# KiCad board SuperBrick1.kicad_pcb (continued)
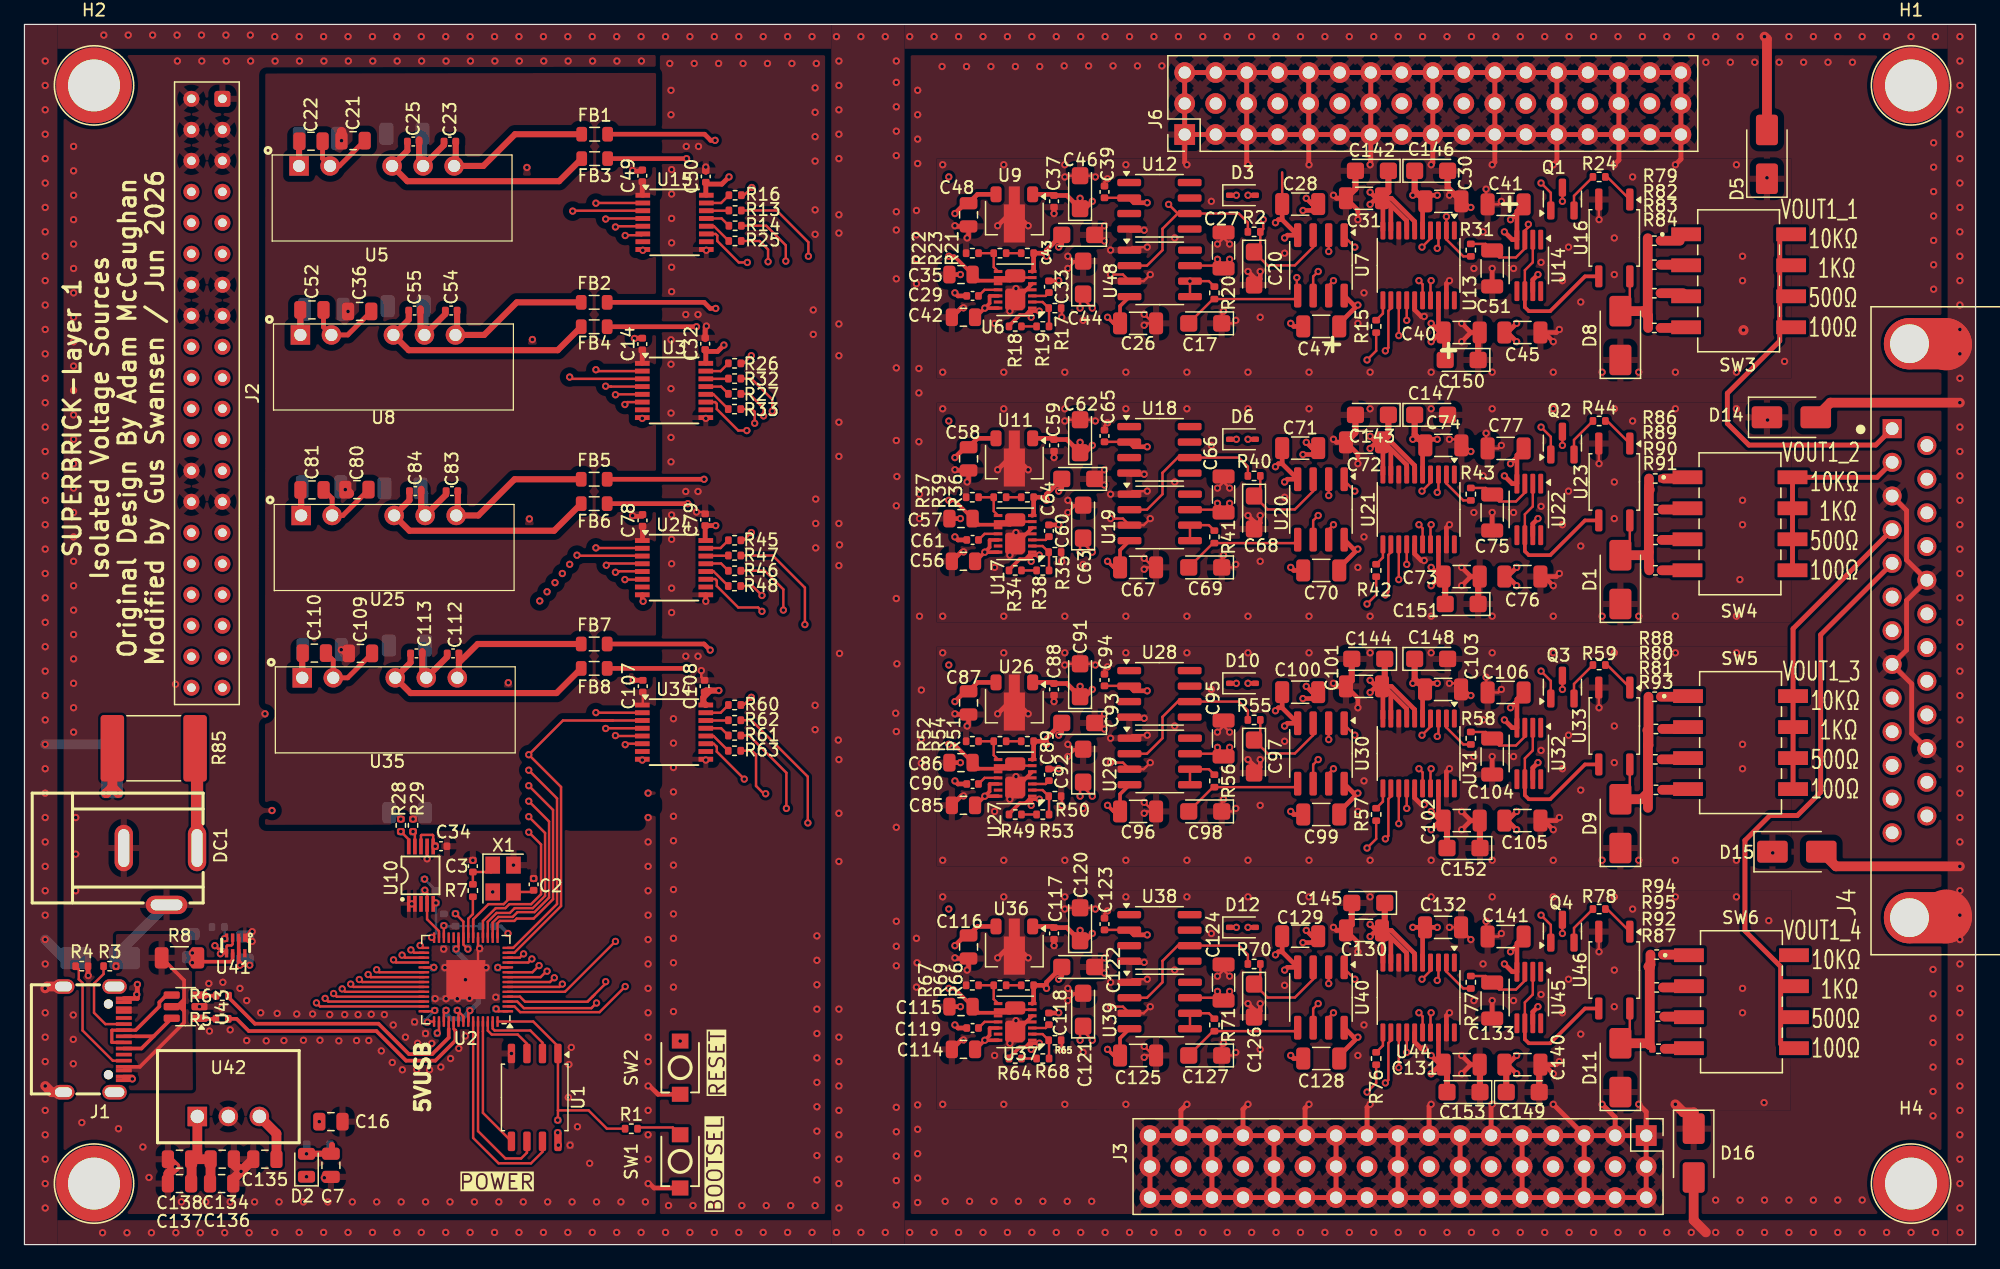
[diagram p0: board, top side]
## Library data of the parts
C1 C5 C6 C10-C15 C18 C32 C34 C39 C49 C50 C65 C78 C79 C94 C107 C108 C123 = -: Description: Unpolarized capacitor, small symbol; LCSC: C1525; ki_fp_filters: C_*
C2 C3 = -: Description: Unpolarized capacitor, small symbol; LCSC: C1555; ki_fp_filters: C_*
C4 C8 C9 C19 C23 C25 C38 C54 C55 C83 C84 C112 C113 = -: Description: Unpolarized capacitor, small symbol; LCSC: C52923; ki_fp_filters: C_*
C7 C35 C42 C56 C57 C85 C86 C114 C115 C134 C136-C138 C156 = -: Description: Unpolarized capacitor, small symbol; LCSC: C440198; ki_fp_filters: C_*
C16 C21 C22 C36 C52 C80 C81 C109 C110 = -: Description: Unpolarized capacitor, small symbol; LCSC: C1779; ki_fp_filters: C_*
C17 C20 C43 C44 C46 C62-C64 C68 C69 C91-C93 C97 C98 C120-C122 C126 C127 C142-C153 = -: Description: TAJA106K016RNJ 10uF 16V 3Ω@100kHz ±10% CASE-A-3216-18(mm) Tantalum Capacitors ROHS; LCSC: C7171; ki_fp_filters: CP_*
C24 C53 C82 C111 = -: Description: 2kV 220pF X7R ±10% 1206  Multilayer Ceramic Capacitors MLCC - SMD/SMT ROHS; LCSC: C63848; ki_fp_filters: C_*
C26-C28 C30 C31 C40 C41 C45 C47 C51 C66 C67 C70-C77 C95 C96 C99-C106 C124 C125 C128-C133 C140 C141 = -: Description: Unpolarized capacitor, small symbol; LCSC: C170182; ki_fp_filters: C_*
C29 C33 C37 C59-C61 C88-C90 C117-C119 = -: Description: Unpolarized capacitor, small symbol; LCSC: C1518210; ki_fp_filters: C_*
C48 C58 C87 C116 = -: Description: Unpolarized capacitor, small symbol; LCSC: C377773; ki_fp_filters: C_*
C135 C139 = -: Description: Unpolarized capacitor, small symbol; LCSC: C45783; ki_fp_filters: C_*
D1 D4 D5 D7-D9 D11 D14-D16 = -: Datasheet: https://wmsc.lcsc.com/wmsc/upload/file/pdf/v2/lcsc/2304140030_Littelfuse-SMAJ51CA_C148234.pdf; Description: 400W bidirectional Transient Voltage Suppressor, 51.0Vr, SMA(DO-214AC); LCSC: C148234; ki_fp_filters: D*SMA*
D2 = -: Description: Light emitting diode; LCSC: C2297; ki_fp_filters: LED* LED_SMD:* LED_THT:*
D3 D6 D10 D12 = -: Description: Schottky diode; LCSC: C191023; ki_fp_filters: TO-???* *_Diode_* *SingleDiode* D_*
DC1 = -: LCSC Part: C720557; LCSC: C720557
FB1-FB8 = -: Description: Ferrite bead GZ2012D601TF 300mΩ ±25% 600Ω@100MHz 0805 Ferrite Beads ROHS; LCSC: C1017; ki_fp_filters: Inductor_* L_* *Ferrite*
H1-H4 = -: Datasheet: https://wmsc.lcsc.com/wmsc/upload/file/pdf/v2/lcsc/2112061830_Sinhoo-SMTSO30100CTJ_C2916370.pdf; Description: M3 mounting hole SMD round nut ROHS; LCSC: C2916370; ki_fp_filters: MountingHole*Pad*
J1 = -: Datasheet: https://lcsc.com/product-detail/USB-Type-C_Korean-Hroparts-Elec-TYPE-C-31-M-12_C165948.html; Description: USB 2.0-only 16P Type-C Receptacle connector; LCSC: C165948; LCSC Part: C165948
J2 = -: Description: Generic connector, double row, 02x20, counter clockwise pin numbering scheme (similar to DIP package numbering), script generated (kicad-library-utils/schlib/autogen/connector/); LCSC: C5160231; ki_fp_filters: Connector*:*_2x??_*
J3 J6 = -: Description: "Generic connector, single row, 01x51, script generated"; LCSC: C21390535; ki_fp_filters: Connector*:*_1x??_*
J4 = -: PARTREV: P; STANDARD: Manufacturer recommendations; MANUFACTURER: TE CONNECTIVITY; LCSC: C592898
L1-L4 = -: Datasheet: https://jlcpcb.com/partdetail/375447-CMP321609XD6R8MT/C395031; Description: 500mA 6.8uH ±20% 450mΩ 1206 Inductors (SMD) ROHS; LCSC Part: C395031; LCSC: C395031
Q1-Q4 = -: Datasheet: https://wmsc.lcsc.com/wmsc/upload/file/pdf/v2/lcsc/2303221100_Jiangsu-Changjing-Electronics-Technology-Co---Ltd--SS8050-RANGE-200-350_C2150.pdf; Description: 25V 300mW 200@100mA,1V 1.5A NPN SOT-23 Bipolar Transistors - BJT ROHS; LCSC: C2150; ki_fp_filters: SOT?23*
R1 R7 R9 R80 R82 R89 R95 = -: Description: Resistor, small symbol; LCSC: C11702; ki_fp_filters: R_*
R2 R11 R20 R40 R41 R55 R56 R70 R71 R75 R79 R86 R88 R94 = -: Description: Resistor, small symbol; LCSC: C25744; ki_fp_filters: R_*
R3 R4 R10 R12 R72-R74 = -: Description: Resistor, small symbol; LCSC: C25905; ki_fp_filters: R_*
R5 R6 = -: Description: Resistor, small symbol; LCSC: C138021; ki_fp_filters: R_*
R8 = -: Description: 24V 500mA 100A 1A 1206 Resettable Fuses ROHS; LCSC: C369160; ki_fp_filters: *Fuse*
R13-R16 R25-R27 R32 R33 R42 R45-R48 R57 R60-R63 R76 R84 R87 R91 R93 = -: Description: Resistor, small symbol; LCSC: C25076; ki_fp_filters: R_*
R17 R22 R35 R37 R50 R52 R65 R67 = -: Description: Resistor, small symbol; LCSC: C25741; ki_fp_filters: R_*
R18 R19 R21 R23 R34 R36 R38 R39 R49 R51 R53 R54 R64 R66 R68 R69 = -: Description: Resistor, small symbol; LCSC: C25790; ki_fp_filters: R_*
R24 R44 R59 R78 = -: Description: Resistor, small symbol; LCSC: C25117; ki_fp_filters: R_*
R28 R29 = -: Description: Resistor, small symbol; LCSC: C25077; ki_fp_filters: R_*
R30 = -: Description: Resistor, small symbol; LCSC: C25334; ki_fp_filters: R_*
R31 R43 R58 R77 = -: Description: Resistor, small symbol; LCSC: C25867; ki_fp_filters: R_*
R81 R83 R90 R92 = -: Description: Resistor, small symbol; LCSC: C4125; ki_fp_filters: R_*
R85 = -: Description: 60V 1.1A 40A 2.2A 2920 Resettable Fuses ROHS; LCSC: C3020148; ki_fp_filters: *Fuse*
SW1 SW2 = -: Description: Push button switch, generic, two pins; LCSC: C720477
SW3-SW6 = -: Description: 4x DIP Switch, Single Pole Single Throw (SPST) switch, small symbol; LCSC: C2842669; ki_fp_filters: SW?DIP?x4*
U1 = -: Datasheet: http://www.winbond.com/resource-files/w25q128jv_dtr%20revc%2003272018%20plus.pdf; Description: 128Mb Serial Flash Memory, Standard/Dual/Quad SPI, SOIC-8; LCSC: C97521; ki_fp_filters: SOIC*5.23x5.23mm*P1.27mm*
U2 = -: Datasheet: https://datasheets.raspberrypi.com/rp2040/rp2040-datasheet.pdf; Description: A microcontroller by Raspberry Pi; LCSC: C2040; ki_fp_filters: QFN*1EP*7x7mm?P0.4mm*
U3 U15 U24 U34 = -: Datasheet: https://www.ti.com/lit/ds/symlink/iso7763.pdf; Description: Default high, High-speed, robust EMC, reinforced, six-channel, digital, isolator, SSOP-16; LCSC: C2868090; ki_fp_filters: SSOP*3.9x4.9mm*P0.635mm*
U4 = -: Datasheet: https://www.torexsemi.com/file/xc6206/XC6206.pdf; Description: Positive 60-250mA Low Dropout Regulator, Fixed Output, SOT-23; LCSC: C5446; ki_fp_filters: SOT?23?3*
U5 U8 U25 U35 = -: LCSC Part: C7465204; LCSC: C7465204
U6 U17 U27 U37 = -: Datasheet: https://www.analog.com/media/en/technical-documentation/data-sheets/3032ff.pdf; Description: 150mA, Dual Low Dropout Linear Regulator, Positive/Negative Low Noise, Adjustable Output, DFN-14; LCSC: C666532; ki_fp_filters: Linear*DE14MA*
U7 U20 U30 U40 = -: Datasheet: https://www.analog.com/media/en/technical-documentation/data-sheets/AD8676.pdf; Description: Dual operational amplifier, Ultra-precision, 36V, Rail-to-rail output, SOIC-8; LCSC: C462199; ki_fp_filters: SOIC*3.9x4.9mm*P1.27mm*
U9 U11 U26 U36 = -: Datasheet: https://www.onsemi.com/pub/Collateral/MC78L00A-D.PDF; Description: Positive 100mA 30V Linear Regulator, Fixed Output 5V, SOT-89; LCSC: C71136; ki_fp_filters: SOT?89*
U10 = -: Datasheet: https://www.ti.com/lit/ds/symlink/ina220.pdf?ts=1736710620691; LCSC Part: C543040; LCSC: C543040
U12 U18 U28 U38 = -: Datasheet: http://www.ti.com/lit/ds/symlink/ref102.pdf; Description: 10V ±10mV Precision Voltage Reference, SO-8; LCSC: C183082; ki_fp_filters: SOIC*3.9x4.9mm*P1.27mm*
U13 U21 U31 U44 = -: Datasheet: https://www.analog.com/media/en/technical-documentation/data-sheets/ad5781.pdf; Description: 18Bit, ±0,5 LSB INL, Voltage Output DAC, TSSOP-20; LCSC: C650269; ki_fp_filters: TSSOP*4.4?6.5mm*P0.65mm*
U14 U22 U32 U45 = -: Datasheet: https://www.analog.com/media/en/technical-documentation/data-sheets/AD8675.pdf; Description: 36 V Precision, 2.8 nV/√Hz Rail-to-Rail Output Op Amp; LCSC: C208295
U16 U23 U33 U46 = -: Datasheet: https://wmsc.lcsc.com/wmsc/upload/file/pdf/v2/lcsc/2211281630_Omron-Electronics-G3VM-61VY3-TR_C2152318.pdf; Description: 1.2V 40V 60mΩ 2.5A SOP-4 Solid State Relays (MOS Output) ROHS; LCSC: C7435104; ki_fp_filters: SO*4.4x3.9mm*P2.54mm*
U19 U29 U39 U48 = -: Datasheet: https://www.analog.com/media/en/technical-documentation/data-sheets/AD8276_8277.pdf; Description: Low Power, Wide Supply Range, Low Cost Unity-Gain Difference Amplifier, SOIC-8/MSOP-8; LCSC: C514259; ki_fp_filters: SOIC*3.9x4.9mm*P1.27mm* MSOP*3x3mm*P0.65mm*
U41 = -: Datasheet: https://www.ti.com/lit/gpn/tps2117; LCSC Part: C22399676; LCSC: C22399676
U42 = -: LCSC Part: C5369649; LCSC: C5369649
U43 = -: Datasheet: https://www.st.com/resource/en/datasheet/usblc6-2.pdf; Description: Very low capacitance ESD protection diode, 2 data-line, SOT-23-6; LCSC: C2827654; ki_fp_filters: SOT?23*
X1 = -: Description: Four pin crystal, GND on pins 2 and 4, small symbol; LCSC: C9002; ki_fp_filters: Crystal*

## Footprints (pads in the part's own frame, mm; a bottom-side part is the same pattern mirrored in y, then rotated)
C_0402_1005Metric
  rrect 0.56x0.62 smd: 1(-0.48,0) 2(0.48,0)
C_0805_2012Metric
  rrect 1x1.45 smd: 1(-0.95,0) 2(0.95,0)
C_1206_3216Metric
  rrect 1.15x1.8 smd: 1(-1.475,0) 2(1.475,0)
CP_EIA-3216-18_Kemet-A
  rrect 1.4x1.35 smd: 1(-1.35,0) 2(1.35,0)
Crystal_SMD_3225-4Pin_3.2x2.5mm
  rect 1.4x1.2 smd: 1(-1.1,-0.85) 2(1.1,-0.85) 3(1.1,0.85) 4(-1.1,0.85)
D_SMA
  rrect 2.5x1.8 smd: 1(-2,0) 2(2,0)
D_SOD-323
  rrect 0.6x0.45 smd: 1(-1.05,0) 2(1.05,0)
DC-IN-TH_DC-005-A200
  oval 1.5x3.8 hole 0.9x3.1: 1(3,2.33) 2(-3,2.33)
  oval 3.4x1.5 hole 2.6x0.9: 3(0.5,-2.33)
Fuse_2920_7451Metric
  rrect 1.925x5.45 smd: 1(-3.388,0) 2(3.388,0)
L_0805_2012Metric
  rrect 0.875x1.2 smd: 1(-1.062,0) 2(1.062,0)
L_1206_3216Metric
  rrect 1.05x1.9 smd: 1(-1.575,0) 2(1.575,0)
LED_0805_2012Metric
  rrect 0.975x1.4 smd: 1(-0.938,0) 2(0.938,0)
Linear_DE14MA
  rect 0.7x0.25 smd: 1(-1.4,1.5) 2(-1.4,1) 3(-1.4,0.5) 5(-1.4,-0.5) 6(-1.4,-1) 7(-1.4,-1.5) 8(1.4,-1.5) 10(1.4,-0.5) 11(1.4,0) 12(1.4,0.5) 13(1.4,1) 14(1.4,1.5)
  custom 2.575x1.805 smd: 4(0,0.79)
  custom 2.575x1.07 smd: 9(0,-1.145)
MSOP-8_3x3mm_P0.65mm
  rrect 1.625x0.4 smd: 1(-2.112,0.975) 2(-2.112,0.325) 3(-2.112,-0.325) 4(-2.112,-0.975) 5(2.112,-0.975) 6(2.112,-0.325) 7(2.112,0.325) 8(2.112,0.975)
PinHeader_3x17_P2.54mm_Vertical
  rect 1.7x1.7 hole 1: 1(0,0)
  round 1.7 hole 1: 2(2.54,0) 3(5.08,0) 4(0,-2.54) 5(2.54,-2.54) 6(5.08,-2.54) 7(0,-5.08) 8(2.54,-5.08) 9(5.08,-5.08) 10(0,-7.62) 11(2.54,-7.62) 12(5.08,-7.62) 13(0,-10.16) 14(2.54,-10.16) 15(5.08,-10.16) 16(0,-12.7) 17(2.54,-12.7) 18(5.08,-12.7) 19(0,-15.24) 20(2.54,-15.24) 21(5.08,-15.24) 22(0,-17.78) 23(2.54,-17.78) 24(5.08,-17.78) 25(0,-20.32) 26(2.54,-20.32) 27(5.08,-20.32) 28(0,-22.86) 29(2.54,-22.86) 30(5.08,-22.86) 31(0,-25.4) 32(2.54,-25.4) 33(5.08,-25.4) 34(0,-27.94) 35(2.54,-27.94) 36(5.08,-27.94) 37(0,-30.48) 38(2.54,-30.48) 39(5.08,-30.48) 40(0,-33.02) 41(2.54,-33.02) 42(5.08,-33.02) 43(0,-35.56) 44(2.54,-35.56) 45(5.08,-35.56) 46(0,-38.1) 47(2.54,-38.1) 48(5.08,-38.1) 49(0,-40.64) 50(2.54,-40.64) 51(5.08,-40.64)
PWRM-TH_AXXXXS-2WR3
  rect 1.6x1.6 hole 1: 1(-6.35,0)
  round 1.6 hole 1: 2(-3.81,0) 4(1.27,0) 5(3.81,0) 6(6.35,0)
PWRM-TH_DEXU_K780XM-1000R3
  rect 1.6x1.6 hole 1.1: 1(-2.54,0)
  round 1.6 hole 1.1: 2(0,0) 3(2.54,0)
QFN-56-1EP_7x7mm_P0.4mm_EP3.2x3.2mm
  rrect 1.29x1.29 smd: (-0.8,0.8) (-0.8,-0.8) (0.8,0.8) (0.8,-0.8)
  rrect 0.875x0.2 smd: 1(-3.438,2.6) 2(-3.438,2.2) 3(-3.438,1.8) 4(-3.438,1.4) 5(-3.438,1) 6(-3.438,0.6) 7(-3.438,0.2) 8(-3.438,-0.2) 9(-3.438,-0.6) 10(-3.438,-1) 11(-3.438,-1.4) 12(-3.438,-1.8) 13(-3.438,-2.2) 14(-3.438,-2.6) 29(3.438,-2.6) 30(3.438,-2.2) 31(3.438,-1.8) 32(3.438,-1.4) 33(3.438,-1) 34(3.438,-0.6) 35(3.438,-0.2) 36(3.438,0.2) 37(3.438,0.6) 38(3.438,1) 39(3.438,1.4) 40(3.438,1.8) 41(3.438,2.2) 42(3.438,2.6)
  rrect 0.2x0.875 smd: 15(-2.6,-3.438) 16(-2.2,-3.438) 17(-1.8,-3.438) 18(-1.4,-3.438) 19(-1,-3.438) 20(-0.6,-3.438) 21(-0.2,-3.438) 22(0.2,-3.438) 23(0.6,-3.438) 24(1,-3.438) 25(1.4,-3.438) 26(1.8,-3.438) 27(2.2,-3.438) 28(2.6,-3.438) 43(2.6,3.438) 44(2.2,3.438) 45(1.8,3.438) 46(1.4,3.438) 47(1,3.438) 48(0.6,3.438) 49(0.2,3.438) 50(-0.2,3.438) 51(-0.6,3.438) 52(-1,3.438) 53(-1.4,3.438) 54(-1.8,3.438) 55(-2.2,3.438) 56(-2.6,3.438)
  rect 3.2x3.2 smd: 57(0,0)
R_0402_1005Metric
  rrect 0.54x0.64 smd: 1(-0.51,0) 2(0.51,0)
R_1206_3216Metric
  rrect 1.125x1.75 smd: 1(-1.462,0) 2(1.462,0)
Samtec_HLE-120-02-xx-DV-TE_2x20_P2.54mm_Horizontal
  rrect 1.31x1.31 hole 0.71: 1(0,0)
  round 1.31 hole 0.71: 2(0,-2.54) 3(2.54,0) 4(2.54,-2.54) 5(5.08,0) 6(5.08,-2.54) 7(7.62,0) 8(7.62,-2.54) 9(10.16,0) 10(10.16,-2.54) 11(12.7,0) 12(12.7,-2.54) 13(15.24,0) 14(15.24,-2.54) 15(17.78,0) 16(17.78,-2.54) 17(20.32,0) 18(20.32,-2.54) 19(22.86,0) 20(22.86,-2.54) 21(25.4,0) 22(25.4,-2.54) 23(27.94,0) 24(27.94,-2.54) 25(30.48,0) 26(30.48,-2.54) 27(33.02,0) 28(33.02,-2.54) 29(35.56,0) 30(35.56,-2.54) 31(38.1,0) 32(38.1,-2.54) 33(40.64,0) 34(40.64,-2.54) 35(43.18,0) 36(43.18,-2.54) 37(45.72,0) 38(45.72,-2.54) 39(48.26,0) 40(48.26,-2.54)
SMD_BD5.6-L5.6-W5.6-D4.1
  round 6.2 hole 4.25: 1(0,0)
SO-4_4.4x3.9mm_P2.54mm
  rrect 1.8x0.6 smd: 1(-3.15,1.27) 2(-3.15,-1.27) 3(3.15,-1.27) 4(3.15,1.27)
SOIC-8_3.9x4.9mm_P1.27mm
  rrect 1.95x0.6 smd: 1(-2.475,1.905) 2(-2.475,0.635) 3(-2.475,-0.635) 4(-2.475,-1.905) 5(2.475,-1.905) 6(2.475,-0.635) 7(2.475,0.635) 8(2.475,1.905)
SOIC-8_5.23x5.23mm_P1.27mm
  rrect 1.6x0.6 smd: 1(-3.6,1.905) 2(-3.6,0.635) 3(-3.6,-0.635) 4(-3.6,-1.905) 5(3.6,-1.905) 6(3.6,-0.635) 7(3.6,0.635) 8(3.6,1.905)
SOT-23
  rrect 1.475x0.6 smd: 1(-0.938,0.95) 2(-0.938,-0.95) 3(0.938,0)
SOT-23-3
  rrect 1.325x0.6 smd: 1(-1.137,0.95) 2(-1.137,-0.95) 3(1.137,0)
SOT-23-6
  rrect 1.325x0.6 smd: 1(-1.137,0.95) 2(-1.137,0) 3(-1.137,-0.95) 4(1.137,-0.95) 5(1.137,0) 6(1.137,0.95)
SOT-89-3
  rrect 1.3x0.9 smd: 1(-1.95,1.5) 3(-1.95,-1.5)
  custom 4.6x1.733 smd: 2(-1.863,0)
SOT-583-8_L2.1-W1.2-P0.50-LS1.6-BL
  rect 0.28x0.68 smd: 1(-0.75,-0.64) 2(-0.25,-0.64) 3(0.25,-0.64) 4(0.75,-0.64) 5(0.75,0.64) 6(0.25,0.64) 7(-0.25,0.64) 8(-0.75,0.64)
SSOP-16_3.9x4.9mm_P0.635mm
  rect 1.2x0.4 smd: 1(-2.6,2.223) 2(-2.6,1.587) 3(-2.6,0.953) 4(-2.6,0.318) 5(-2.6,-0.318) 6(-2.6,-0.953) 7(-2.6,-1.587) 8(-2.6,-2.223) 9(2.6,-2.223) 10(2.6,-1.587) 11(2.6,-0.953) 12(2.6,-0.318) 13(2.6,0.318) 14(2.6,0.953) 15(2.6,1.587) 16(2.6,2.223)
SW-SMD_L3.9-W3.0-P4.45
  rect 1.23x1.36 smd: 1(-2.18,0) 2(2.18,0)
SW_219-4MST
  rect 2.44x1.13 smd: 1(-4.3,3.81) 2(-4.3,1.27) 3(-4.3,-1.27) 4(-4.3,-3.81) 5(4.3,-3.81) 6(4.3,-1.27) 7(4.3,1.27) 8(4.3,3.81)
TE_5747846-4
  rect 1.562x1.562 hole 1.041: 1(0,0)
  round 1.562 hole 1.041: 2(-2.76,0) 3(-5.52,0) 4(-8.28,0) 5(-11.04,0) 6(-13.8,0) 7(-16.56,0) 8(-19.32,0) 9(-22.08,0) 10(-24.84,0) 11(-27.6,0) 12(-30.36,0) 13(-33.12,0) 14(-1.38,-2.845) 15(-4.14,-2.845) 16(-6.9,-2.845) 17(-9.66,-2.845) 18(-12.42,-2.845) 19(-15.18,-2.845) 20(-17.94,-2.845) 21(-20.7,-2.845) 22(-23.46,-2.845) 23(-26.22,-2.845) 24(-28.98,-2.845) 25(-31.74,-2.845)
  round 4.191 hole 3.175: G1(-40.08,-1.422) G2(6.96,-1.422)
TSSOP-20_4.4x6.5mm_P0.65mm
  rrect 1.475x0.4 smd: 1(-2.862,2.925) 2(-2.862,2.275) 3(-2.862,1.625) 4(-2.862,0.975) 5(-2.862,0.325) 6(-2.862,-0.325) 7(-2.862,-0.975) 8(-2.862,-1.625) 9(-2.862,-2.275) 10(-2.862,-2.925) 11(2.862,-2.925) 12(2.862,-2.275) 13(2.862,-1.625) 14(2.862,-0.975) 15(2.862,-0.325) 16(2.862,0.325) 17(2.862,0.975) 18(2.862,1.625) 19(2.862,2.275) 20(2.862,2.925)
USB-C_SMD-TYPE-C-31-M-12
  round 0.75 hole 0.75 unplated: (-2.9,1.21) (2.9,1.21)
  oval 1.2x2 hole 0.8x1.6: 0(-4.33,1.71) 1(4.33,1.71)
  oval 1.2x1.8 hole 0.8x1.4: 2(4.33,-2.47) 3(-4.33,-2.47)
  rect 0.3x1.3 smd: A1(-3.35,2.47) A4(-2.55,2.47) A5(-1.25,2.47) A6(-0.25,2.47) A7(0.25,2.47) A8(1.25,2.47) A9(2.55,2.47) A12(3.35,2.47) B1(3.05,2.47) B4(2.25,2.47) B5(1.75,2.47) B6(0.75,2.47) B7(-0.75,2.47) B8(-1.75,2.47) B9(-2.25,2.47) B12(-3.05,2.47)
VSSOP-10_L3.0-W3.0-P0.50-LS4.9-BL
  rect 0.3x1.3 smd: 1(-1,-2.35) 2(-0.5,-2.35) 3(0,-2.35) 4(0.5,-2.35) 5(1,-2.35) 6(1,2.35) 7(0.5,2.35) 8(0,2.35) 9(-0.5,2.35) 10(-1,2.35)

## Nets
+1V1: C4.2 C5.1 C6.1 U2.23 U2.45 U2.50
+3V3: C1.1 C7.1 C8.1 C9.2 C10.1 C11.1 C12.1 C13.1 C15.1 C18.1 D2.2 R10.2 R12.2 U1.8 U2.1 U2.10 U2.22 U2.33 U2.42 U2.43 U2.44 U2.48 U2.49 U4.2
+5V: C16.1 C34.1 C139.1 R28.2 R30.2 R72.2 R73.2 U4.3 U10.6 U10.8 U41.2 U41.7
/+5VTOISO: C14.1 C21.1 C36.1 C49.1 C78.1 C80.1 C107.1 C109.1 L1.1 L2.1 L3.1 L4.1 R29.2 R30.1 U3.1 U15.1 U24.1 U34.1
/+5VUSB: C156.1 R8.2 U41.6
/Isolated DAC1/AD5781-1/VCC_ISO: C31.1 C37.2 C46.1 C50.1 C142.1 D3.2 Q1.3 U9.1 U13.6 U13.7 U13.9 U13.10 U15.16
/Isolated DAC1/AD5781-1/VDD_ISO: C27.2 C28.1 C30.1 C33.2 C39.1 C44.1 C45.1 C47.1 C146.1 D3.1 R18.2 U6.1 U7.8 U12.2 U13.5 U14.7 U48.7
/Isolated DAC1/AD5781-1/VSS_ISO: C26.1 C28.2 C29.2 C40.1 C41.1 C43.2 C47.2 C150.2 R21.2 U6.7 U7.4 U13.18 U14.4 U48.4
/Isolated DAC1/Power isolation/+15V_ISO: C42.1 C48.1 FB1.2 U6.12 U6.14 U9.3
/Isolated DAC1/Power isolation/-15V_ISO: C35.1 FB3.2 U6.6 U6.9 U6.10
/Isolated DAC2/AD5781-1/VCC_ISO: C32.1 C59.2 C62.1 C72.1 C143.1 D6.2 Q2.3 U3.16 U11.1 U21.6 U21.7 U21.9 U21.10
/Isolated DAC2/AD5781-1/VDD_ISO: C60.2 C63.1 C65.1 C66.2 C70.1 C71.1 C74.1 C76.1 C147.1 D6.1 R34.2 U17.1 U18.2 U19.7 U20.8 U21.5 U22.7
/Isolated DAC2/AD5781-1/VSS_ISO: C61.2 C64.2 C67.1 C70.2 C71.2 C73.1 C77.1 C151.2 R36.2 U17.7 U19.4 U20.4 U21.18 U22.4
/Isolated DAC2/Power isolation/+15V_ISO: C56.1 C58.1 FB2.2 U11.3 U17.12 U17.14
/Isolated DAC2/Power isolation/-15V_ISO: C57.1 FB4.2 U17.6 U17.9 U17.10
/Isolated DAC3/AD5781-1/VCC_ISO: C79.1 C88.2 C91.1 C101.1 C144.1 D10.2 Q3.3 U24.16 U26.1 U31.6 U31.7 U31.9 U31.10
/Isolated DAC3/AD5781-1/VDD_ISO: C89.2 C92.1 C94.1 C95.2 C99.1 C100.1 C103.1 C105.1 C148.1 D10.1 R49.2 U27.1 U28.2 U29.7 U30.8 U31.5 U32.7
/Isolated DAC3/AD5781-1/VSS_ISO: C90.2 C93.2 C96.1 C99.2 C100.2 C102.1 C106.1 C152.2 R51.2 U27.7 U29.4 U30.4 U31.18 U32.4
/Isolated DAC3/Power isolation/+15V_ISO: C85.1 C87.1 FB5.2 U26.3 U27.12 U27.14
/Isolated DAC3/Power isolation/-15V_ISO: C86.1 FB6.2 U27.6 U27.9 U27.10
/Isolated DAC4/AD5781-1/VCC_ISO: C108.1 C117.2 C120.1 C130.1 C145.1 D12.2 Q4.3 U34.16 U36.1 U44.6 U44.7 U44.9 U44.10
/Isolated DAC4/AD5781-1/VDD_ISO: C118.2 C121.1 C123.1 C124.2 C128.1 C129.1 C132.1 C140.1 C149.1 D12.1 R64.2 U37.1 U38.2 U39.7 U40.8 U44.5 U45.7
/Isolated DAC4/AD5781-1/VSS_ISO: C119.2 C122.2 C125.1 C128.2 C129.2 C131.1 C141.1 C153.2 R66.2 U37.7 U39.4 U40.4 U44.18 U45.4
/Isolated DAC4/Power isolation/+15V_ISO: C114.1 C116.1 FB7.2 U36.3 U37.12 U37.14
/Isolated DAC4/Power isolation/-15V_ISO: C115.1 FB8.2 U37.6 U37.9 U37.10
/VBUS: J1.A4 J1.A9 J1.B4 J1.B9 R8.1 U43.5
GND: C1.2 C2.1 C3.1 C4.1 C5.2 C6.2 C7.2 C8.2 C9.1 C10.2 C11.2 C12.2 C13.2 C14.2 C15.2 C16.2 C18.2 C19.2 C21.2 C22.2 C24.1 C34.2 C36.2 C49.2 C52.2 C53.1 C78.2 C80.2 C81.2 C82.1 C107.2 C109.2 C110.2 C111.1 C134.2 C135.2 C136.2 C137.2 C138.2 C139.2 C156.2 D4.2 DC1.2 DC1.3 J1.A1 J1.A12 J1.B1 J1.B12 J2.1 J2.2 J2.3 J2.4 J2.5 J2.6 J2.13 J2.14 J2.15 J2.16 J2.26 J2.27 J2.28 R3.2 R4.2 R11.2 R74.1 SW1.1 SW2.1 U1.4 U2.19 U2.57 U3.8 U4.1 U5.2 U8.2 U10.1 U10.2 U10.7 U15.8 U24.8 U25.2 U34.8 U35.2 U41.1 U42.2 U43.2 X1.2 X1.4
/CS: R1.1 R12.1 U1.1 U2.56
/CS1_1: J2.7 U2.41 U15.3
/CS1_2: J2.8 U2.40
/CS1_3: J2.9 U2.39
/CS1_4: J2.10 U2.38
/CS1_5: J2.11 U2.37
/CS1_6: J2.12 U2.36
/CS2_1: J2.17 U2.35 U3.3
/CS2_2: J2.18 U2.34
/CS2_3: J2.19 U2.32
/CS2_4: J2.20 U2.31
/CS2_5: J2.21 U2.30
/CS2_6: J2.22 U2.29
/CS3_1: J2.29 U2.6 U24.3
/CS3_2: J2.30 U2.7
/CS3_3: J2.31 U2.8
/CS3_4: J2.32 U2.9
/CS3_5: J2.33 U2.11
/CS3_6: J2.34 U2.12
/CS4_1: J2.35 U2.13 U34.3
/CS4_2: J2.36 U2.14
/CS4_3: J2.37 U2.15
/CS4_4: J2.38 U2.16
/CS4_5: J2.39 U2.17
/CS4_6: J2.40 U2.18
/GPIO16_I2C0_SDA: R72.1 U2.27 U10.4
/GPIO17_I2C0_SCL: R73.1 U2.28 U10.5
/Isolated DAC1/+IN: R31.1 U13.2
/Isolated DAC1/+IN_LP: C51.1 R31.2 U14.3
/Isolated DAC1/AD5781-1/RELAY: Q1.1 R16.2
/Isolated DAC1/AD5781-1/SCLK: R14.2 U13.13
/Isolated DAC1/AD5781-1/SDIN: R25.2 U13.12
/Isolated DAC1/AD5781-1/SDO: R15.1 U15.11
/Isolated DAC1/AD5781-1/VBUF: U14.2 U14.6 U16.3
/Isolated DAC1/AD5781-1/~{SYNC}: R13.2 U13.14
/Isolated DAC1/VREFNEG1: R20.1 U48.5 U48.6
/Isolated DAC1/VREFNEG2: C17.2 R20.2 U7.5
/Isolated DAC1/VREFPOS1: R2.1 U12.6 U48.2
/Isolated DAC1/VREFPOS2: C20.1 R2.2 U7.3
/Isolated DAC2/+IN: R43.1 U21.2
/Isolated DAC2/+IN_LP: C75.1 R43.2 U22.3
/Isolated DAC2/AD5781-1/RELAY: Q2.1 R26.2
/Isolated DAC2/AD5781-1/SCLK: R27.2 U21.13
/Isolated DAC2/AD5781-1/SDIN: R33.2 U21.12
/Isolated DAC2/AD5781-1/SDO: R42.1 U3.11
/Isolated DAC2/AD5781-1/VBUF: U22.2 U22.6 U23.3
/Isolated DAC2/AD5781-1/~{SYNC}: R32.2 U21.14
/Isolated DAC2/VREFNEG1: R41.1 U19.5 U19.6
/Isolated DAC2/VREFNEG2: C69.2 R41.2 U20.5
/Isolated DAC2/VREFPOS1: R40.1 U18.6 U19.2
/Isolated DAC2/VREFPOS2: C68.1 R40.2 U20.3
/Isolated DAC3/+IN: R58.1 U31.2
/Isolated DAC3/+IN_LP: C104.1 R58.2 U32.3
/Isolated DAC3/AD5781-1/RELAY: Q3.1 R45.2
/Isolated DAC3/AD5781-1/SCLK: R46.2 U31.13
/Isolated DAC3/AD5781-1/SDIN: R48.2 U31.12
/Isolated DAC3/AD5781-1/SDO: R57.1 U24.11
/Isolated DAC3/AD5781-1/VBUF: U32.2 U32.6 U33.3
/Isolated DAC3/AD5781-1/~{SYNC}: R47.2 U31.14
/Isolated DAC3/VREFNEG1: R56.1 U29.5 U29.6
/Isolated DAC3/VREFNEG2: C98.2 R56.2 U30.5
/Isolated DAC3/VREFPOS1: R55.1 U28.6 U29.2
/Isolated DAC3/VREFPOS2: C97.1 R55.2 U30.3
/Isolated DAC4/+IN: R77.1 U44.2
/Isolated DAC4/+IN_LP: C133.1 R77.2 U45.3
/Isolated DAC4/AD5781-1/RELAY: Q4.1 R60.2
/Isolated DAC4/AD5781-1/SCLK: R61.2 U44.13
/Isolated DAC4/AD5781-1/SDIN: R63.2 U44.12
/Isolated DAC4/AD5781-1/SDO: R76.1 U34.11
/Isolated DAC4/AD5781-1/VBUF: U45.2 U45.6 U46.3
/Isolated DAC4/AD5781-1/~{SYNC}: R62.2 U44.14
/Isolated DAC4/VREFNEG1: R71.1 U39.5 U39.6
/Isolated DAC4/VREFNEG2: C127.2 R71.2 U40.5
/Isolated DAC4/VREFPOS1: R70.1 U38.6 U39.2
/Isolated DAC4/VREFPOS2: C126.1 R70.2 U40.3
/OUTPUT_EN: U2.3 U3.2 U15.2 U24.2 U34.2
/RP2040/QSPI_CLK: U1.6 U2.52
/RP2040/SD0: U1.5 U2.53
/RP2040/SD1: U1.2 U2.55
/RP2040/SD2: U1.3 U2.54
/RP2040/SD3: U1.7 U2.51
/RP2040/USB_DT+: R5.2 U2.47
/RP2040/USB_DT-: R6.2 U2.46
/SCLK: J2.23 U2.4 U3.4 U15.4 U24.4 U34.4
/SDIN: J2.24 U2.5 U3.5 U15.5 U24.5 U34.5
/SDO: J2.25 U2.2 U3.6 U15.6 U24.6 U34.6
/SWCLK: U2.24
/SWD: U2.25
/USB_D+: R5.1 U43.1
/USB_D-: R6.1 U43.3
/USBC/CC1: J1.A5 R3.1
/USBC/CC2: J1.B5 R4.1
/USBC/USB_DIN+: J1.A6 J1.B6 U43.6
/USBC/USB_DIN-: J1.A7 J1.B7 U43.4
/VDC: C134.1 C136.1 C137.1 C138.1 D7.1 R85.2 U42.1
/VOUT1: D8.2 R79.1 R82.1 R83.1 R84.1 U16.4
/VOUT1_1_MUX: J4.1 SW3.5 SW3.6 SW3.7 SW3.8
/VOUT1_2_MUX: J4.2 SW4.5 SW4.6 SW4.7 SW4.8
/VOUT1_3_MUX: J4.4 SW5.5 SW5.6 SW5.7 SW5.8
/VOUT1_4_MUX: J4.5 SW6.5 SW6.6 SW6.7 SW6.8
/VOUT2: D1.2 R86.1 R89.1 R90.1 R91.1 U23.4
/VOUT2_1_MUX: J4.6 J6.23
/VOUT2_2_MUX: J4.7 J6.11
/VOUT2_3_MUX: J3.47 J4.9
/VOUT2_4_MUX: J3.35 J4.10
/VOUT3: D9.2 R80.1 R81.1 R88.1 R93.1 U33.4
/VOUT3_1_MUX: J3.23 J4.11
/VOUT3_2_MUX: J3.17 J4.12
/VOUT3_3_MUX: J4.15 J6.41
/VOUT3_4_MUX: J4.14 J6.47
/VOUT4: D11.2 R87.1 R92.1 R94.1 R95.1 U46.4
/VOUT4_1_MUX: J4.16 J6.35
/VOUT4_2_MUX: J4.17 J6.29
/VOUT4_3_MUX: J4.19 J6.17
/VOUT4_4_MUX: J4.20 J6.5
/VOUT5_1_MUX: J3.41 J4.21
/VOUT5_2_MUX: J3.29 J4.22
/VOUT5_3_MUX: J3.11 J4.24
/VOUT5_4_MUX: J3.5 J4.25
/~{RESET}: C19.1 R9.1 R10.1 U2.26
MD_GND_ISO: C17.1 C20.2 C23.2 C24.2 C25.1 C26.2 C27.1 C30.2 C31.2 C32.2 C35.2 C37.1 C39.2 C40.2 C41.2 C42.2 C43.1 C44.2 C45.2 C46.2 C48.2 C50.2 C51.2 C53.2 C54.2 C55.1 C56.2 C57.2 C58.2 C59.1 C62.2 C63.2 C64.1 C65.2 C66.1 C67.2 C68.2 C69.1 C72.2 C73.2 C74.2 C75.2 C76.2 C77.2 C79.2 C82.2 C83.2 C84.1 C85.2 C86.2 C87.2 C88.1 C91.2 C92.2 C93.1 C94.2 C95.1 C96.2 C97.2 C98.1 C101.2 C102.2 C103.2 C104.2 C105.2 C106.2 C108.2 C111.2 C112.2 C113.1 C114.2 C115.2 C116.2 C117.1 C120.2 C121.2 C122.1 C123.2 C124.1 C125.2 C126.2 C127.1 C130.2 C131.2 C132.2 C133.2 C140.2 C141.2 C142.2 C143.2 C144.2 C145.2 C146.2 C147.2 C148.2 C149.2 C150.1 C151.1 C152.1 C153.1 D1.1 D5.1 D8.1 D9.1 D11.1 D14.1 D15.1 D16.1 J3.1 J3.2 J3.3 J3.4 J3.6 J3.7 J3.8 J3.9 J3.10 J3.12 J3.13 J3.14 J3.15 J3.16 J3.18 J3.19 J3.20 J3.21 J3.22 J3.24 J3.25 J3.26 J3.27 J3.28 J3.30 J3.31 J3.32 J3.33 J3.34 J3.36 J3.37 J3.38 J3.39 J3.40 J3.42 J3.43 J3.44 J3.45 J3.46 J3.48 J3.49 J3.50 J3.51 J4.3 J4.8 J4.18 J4.23 J6.1 J6.2 J6.3 J6.4 J6.6 J6.7 J6.8 J6.9 J6.10 J6.12 J6.13 J6.14 J6.15 J6.16 J6.18 J6.19 J6.20 J6.21 J6.22 J6.24 J6.25 J6.26 J6.27 J6.28 J6.30 J6.31 J6.32 J6.33 J6.34 J6.36 J6.37 J6.38 J6.39 J6.40 J6.42 J6.43 J6.44 J6.45 J6.46 J6.48 J6.49 J6.50 J6.51 R17.2 R22.2 R35.2 R37.2 R50.2 R52.2 R65.2 R67.2 U3.9 U5.5 U6.4 U6.5 U8.5 U9.2 U11.2 U12.4 U13.8 U13.15 U13.19 U15.9 U16.2 U17.4 U17.5 U18.4 U19.1 U19.3 U21.8 U21.15 U21.19 U23.2 U24.9 U25.5 U26.2 U27.4 U27.5 U28.4 U29.1 U29.3 U31.8 U31.15 U31.19 U33.2 U34.9 U35.5 U36.2 U37.4 U37.5 U38.4 U39.1 U39.3 U44.8 U44.15 U44.19 U46.2 U48.1 U48.3
SHIELD: D4.1 D5.2 D7.2 D14.2 D15.2 D16.2 H1.1 H2.1 H3.1 H4.1 J1.0 J1.1 J1.2 J1.3 J4.G1 J4.G2
Net-(C3-Pad2): C3.2 R7.1 X1.1
Net-(D2-K): D2.1 R11.1
Net-(DC1-Pad1): DC1.1 R85.1
Net-(Q1-E): Q1.2 R24.2
Net-(Q2-E): Q2.2 R44.2
Net-(Q3-E): Q3.2 R59.2
Net-(Q4-E): Q4.2 R78.2
Net-(R1-Pad2): R1.2 SW1.2
Net-(R9-Pad2): R9.2 SW2.2
Net-(R18-Pad1): R18.1 R19.1
Net-(R21-Pad1): R21.1 R23.1
Net-(R24-Pad1): R24.1 U16.1
Net-(R34-Pad1): R34.1 R38.1
Net-(R36-Pad1): R36.1 R39.1
Net-(R44-Pad1): R44.1 U23.1
Net-(R49-Pad1): R49.1 R53.1
Net-(R51-Pad1): R51.1 R54.1
Net-(R59-Pad1): R59.1 U33.1
Net-(R64-Pad1): R64.1 R68.1
Net-(R66-Pad1): R66.1 R69.1
Net-(R78-Pad1): R78.1 U46.1
Net-(R79-Pad2): R79.2 SW3.1
Net-(R80-Pad2): R80.2 SW5.2
Net-(R81-Pad2): R81.2 SW5.3
Net-(R82-Pad2): R82.2 SW3.2
Net-(R83-Pad2): R83.2 SW3.3
Net-(R84-Pad2): R84.2 SW3.4
Net-(R86-Pad2): R86.2 SW4.1
Net-(R87-Pad2): R87.2 SW6.4
Net-(R88-Pad2): R88.2 SW5.1
Net-(R89-Pad2): R89.2 SW4.2
Net-(R90-Pad2): R90.2 SW4.3
Net-(R91-Pad2): R91.2 SW4.4
Net-(R92-Pad2): R92.2 SW6.3
Net-(R93-Pad2): R93.2 SW5.4
Net-(R94-Pad2): R94.2 SW6.1
Net-(R95-Pad2): R95.2 SW6.2
Net-(U2-XIN): C2.2 U2.20 X1.3
Net-(U2-XOUT): R7.2 U2.21
Net-(U3-OUTA): R26.1 U3.15
Net-(U3-OUTB): R32.1 U3.14
Net-(U3-OUTC): R27.1 U3.13
Net-(U3-OUTD): R33.1 U3.12
Net-(U5-+VO): C23.1 FB1.1 U5.6
Net-(U5--VO): C25.2 FB3.1 U5.4
Net-(U5-VIN): C22.1 L1.2 U5.1
Net-(U6A-ADJP): R17.1 R19.2 U6.2
Net-(U6A-BYPP): C33.1 U6.3
Net-(U6B-ADJN): R22.1 R23.2 U6.8
Net-(U6B-BYPN): C29.1 U6.11
Net-(U8-+VO): C54.1 FB2.1 U8.6
Net-(U8--VO): C55.2 FB4.1 U8.4
Net-(U8-VIN): C52.1 L2.2 U8.1
Net-(U10-IN+): C38.1 R28.1 U10.10
Net-(U10-IN-): C38.2 R29.1 U10.9
Net-(U13-SDO): R15.2 U13.11
Net-(U13-V_{REFNF}): U7.7 U13.16
Net-(U13-V_{REFNS}): U7.6 U13.17
Net-(U13-V_{REFPF}): U7.1 U13.4
Net-(U13-V_{REFPS}): U7.2 U13.3
Net-(U15-OUTA): R16.1 U15.15
Net-(U15-OUTB): R13.1 U15.14
Net-(U15-OUTC): R14.1 U15.13
Net-(U15-OUTD): R25.1 U15.12
Net-(U17A-ADJP): R35.1 R38.2 U17.2
Net-(U17A-BYPP): C60.1 U17.3
Net-(U17B-ADJN): R37.1 R39.2 U17.8
Net-(U17B-BYPN): C61.1 U17.11
Net-(U20A--): U20.2 U21.3
Net-(U20B--): U20.6 U21.17
Net-(U21-SDO): R42.2 U21.11
Net-(U21-V_{REFNF}): U20.7 U21.16
Net-(U21-V_{REFPF}): U20.1 U21.4
Net-(U24-OUTA): R45.1 U24.15
Net-(U24-OUTB): R47.1 U24.14
Net-(U24-OUTC): R46.1 U24.13
Net-(U24-OUTD): R48.1 U24.12
Net-(U25-+VO): C83.1 FB5.1 U25.6
Net-(U25--VO): C84.2 FB6.1 U25.4
Net-(U25-VIN): C81.1 L3.2 U25.1
Net-(U27A-ADJP): R50.1 R53.2 U27.2
Net-(U27A-BYPP): C89.1 U27.3
Net-(U27B-ADJN): R52.1 R54.2 U27.8
Net-(U27B-BYPN): C90.1 U27.11
Net-(U30A--): U30.2 U31.3
Net-(U30B--): U30.6 U31.17
Net-(U31-SDO): R57.2 U31.11
Net-(U31-V_{REFNF}): U30.7 U31.16
Net-(U31-V_{REFPF}): U30.1 U31.4
Net-(U34-OUTA): R60.1 U34.15
Net-(U34-OUTB): R62.1 U34.14
Net-(U34-OUTC): R61.1 U34.13
Net-(U34-OUTD): R63.1 U34.12
Net-(U35-+VO): C112.1 FB7.1 U35.6
Net-(U35--VO): C113.2 FB8.1 U35.4
Net-(U35-VIN): C110.1 L4.2 U35.1
Net-(U37A-ADJP): R65.1 R68.2 U37.2
Net-(U37A-BYPP): C118.1 U37.3
Net-(U37B-ADJN): R67.1 R69.2 U37.8
Net-(U37B-BYPN): C119.1 U37.11
Net-(U40A--): U40.2 U44.3
Net-(U40B--): U40.6 U44.17
Net-(U41-MODE): C135.1 R75.2 U41.3 U41.5 U42.3
Net-(U41-PR1): R74.2 R75.1 U41.4
Net-(U44-SDO): R76.2 U44.11
Net-(U44-V_{REFNF}): U40.7 U44.16
Net-(U44-V_{REFPF}): U40.1 U44.4

Pads without a net: J1 A8 B8; J4 13; U3 7 10; U6 13; U10 3; U12 1 3 5 7 8; U13 1 20; U14 1 5 8; U15 7 10; U17 13; U18 1 3 5 7 8; U19 8; U21 1 20; U22 1 5 8; U24 7 10; U27 13; U28 1 3 5 7 8; U29 8; U31 1 20; U32 1 5 8; U34 7 10; U37 13; U38 1 3 5 7 8; U39 8; U41 8; U44 1 20; U45 1 5 8; U48 8

## Via types
v1: diameter 0.6, hole 0.3, Top to Bottom, 1354 vias

## Routing (per net, layer and track width the routed paths; a pad name or vN(x,y) marks a point on that pad's centre or on a via; arc(x,y) is an arc through that point)
+1V1: length 12.5
  Top w0.2: U2.23 35.55,24.42 v1(35.35,24.23) ; v1(34.52,19.2) 34.35,19.02 U2.45 ; v1(36.48,19.17) 36.35,19.04 U2.50 36.35,18.89 36.35,18.89
  Bottom w0.2: 34.55,19.17 v1(34.52,19.2)
  Bottom w0.4: v1(34.52,19.2) 34.52,18.92 34.95,18.5 35.83,18.5 36.48,19.15 v1(36.48,19.17) 36.52,19.17 37.16,19.82 37.16,22.26 35.35,24.07 v1(35.35,24.23) ; 36.45,19.12 C5.1
+3V3: length 15.3
  Top w0.2: U2.44 33.95,17.56 33.81,17.42 v1(33.81,17.34) ; U2.48 35.55,19.1 v1(35.45,19.2) 35.95,18.7 U2.49 ; v1(38.77,22.71) 38.77,22.72 U2.10 ; U2.43 33.05,18.28 v1(33,18.23) ; U2.42 33.53,19.12 v1(33.6,19.19) ; U2.33 33.52,22.72 v1(33.52,22.72) ; v1(38.62,19.31) 38.82,19.12 U2.1 ; v1(35.3,27.12) 35.95,26.47 U2.22 35.95,24.59 v1(36.32,24.22)
  Top w0.381: v1(43.67,9.17) 43.69,9.16
  Top w0.5: 25.19,8.16 25.19,7.54 C7.1 23.11,7.45 v1(23.1,7.44)
  In4.Cu w0.2: v1(33.81,17.34) 33.81,17.56
  Bottom w0.2: v1(33.6,19.19) 33,18.59 v1(33,18.23) ; 35.25,27.12 v1(35.3,27.12)
  Bottom w0.3: v1(23.1,7.44) 23.12,7.46 U4.2 ; v1(33.52,22.72) 33.5,22.7 C11.1
  vias: v1(43.73,8.15)
+5V: length 16.1
  Top w0.2: U10.8 32.48,33.52 32.52,33.58 33.42,33.58 33.48,33.52 U10.6
  Top w0.3: v1(33.64,32.65) 33.62,32.62 U10.6 ; 17.55,23.25 17.55,22.8 17.6,22.85 ; 17.55,23.25 17.9,22.9 v1(18.45,22.9) ; 17.55,23.25 U41.7 U41.2 ; 17.55,23.25 17.55,23 v1(17.65,22.9)
  In2.Cu w0.2: 33.7,32.59 v1(33.64,32.65)
  In4.Cu w0.4: 30.62,34.87 v1(30.82,34.87) 30.12,34.17 30.12,33.56 31.04,32.65 v1(33.64,32.65)
  Bottom w0.2: v1(17.65,22.9) 17.65,22.95 C139.1 18.45,22.95 v1(18.45,22.9) ; R72.2 v1(32.77,29.95) R73.2
  Bottom w0.3: U4.3 v1(24.15,10.08) ; 30.3,35.4 v1(30.82,34.87)
/+5VTOISO: length 8.4
  Top w0.2: 50.6,57.72 50.6,58.7 50.62,58.72 ; C107.1 50.64,44.26 U34.1 ; 50.6,86.07 50.64,86.02 U15.1
  Top w0.4: U3.1 C14.1 ; U15.1 50.6,86.04 50.6,87.01 ; C109.1 26.24,48.45 v1(25.94,48.75) ; C78.1 50.62,57.72 U24.1
  Top w0.8: 26.5,76.53 v1(26.5,76.48) ; 25.97,91.2 v1(25.97,90.47) ; 26.6,61.55 v1(26.28,61.88) 26.28,62.01
  Bottom w0.3: 32.36,35.4 v1(31.82,34.87)
  Bottom w0.8: 32.73,35.4 R30.1
/+5VUSB: length 7.4
  Top w0.3: R8.2 14.16,23.89 13.85,24.2 ; R8.2 14.48,23.19 16.91,23.19 17.05,23.33 U41.6 ; R8.2 14.15,23.5 ; 14.15,23.5 v1(13.75,23.1) ; 14.15,23.5 v1(13.75,23.9) ; 14.21,23.11 14.21,23.55
  Bottom w0.2: v1(13.75,23.9) 13.75,23.67 C156.1 13.75,23.42 v1(13.75,23.1)
  Bottom w0.3: C156.1 13.62,23.98
/Isolated DAC1/AD5781-1/VCC_ISO: length 73.6
  Top w0.2: Q1.3 v1(125.95,85.5) ; 55.74,86.1 U15.16 55.84,86.07
  Top w0.381: v1(110.2,85.25) 110.7,85.75 ; 110.7,85.75 v1(110.2,86.25) ; 110.7,85.75 C31.1 ; C46.1 v1(86.45,85.75) ; C46.1 86.85,84.9 v1(87.45,85.5) ; C46.1 85.37,85.98 C37.2 84.22,86.08 U9.1 ; U13.9 111.9,85.03 C31.1 ; C31.1 111.25,85.67 U13.10 ; C31.1 111.95,85.75 113.85,83.85 U13.6 ; C31.1 111.35,85.75 113.2,83.9 U13.7 ; v1(100.2,86) D3.2
  Top w0.4: v1(57.7,87.5) 57.11,86.91 55.8,86.91 55.8,86.04 U15.16
  Top w0.5: C142.1 111.7,86.28 C31.1
  In2.Cu w0.2: 111.2,87.25 v1(110.2,86.25)
  In4.Cu w0.2: v1(110.2,86.25) v1(110.2,85.25)
  In4.Cu w0.381: v1(110.2,86.25) 109.76,86.69 100.89,86.69 v1(100.2,86) 100.2,86.03 99.54,86.69 98.96,86.69 98.56,86.29 88.24,86.29 v1(87.45,85.5)
  In4.Cu w0.5: v1(75.7,87.5) v1(57.7,87.5)
